# KiCad board !HDMI2USB.kicad_pcb (continued)
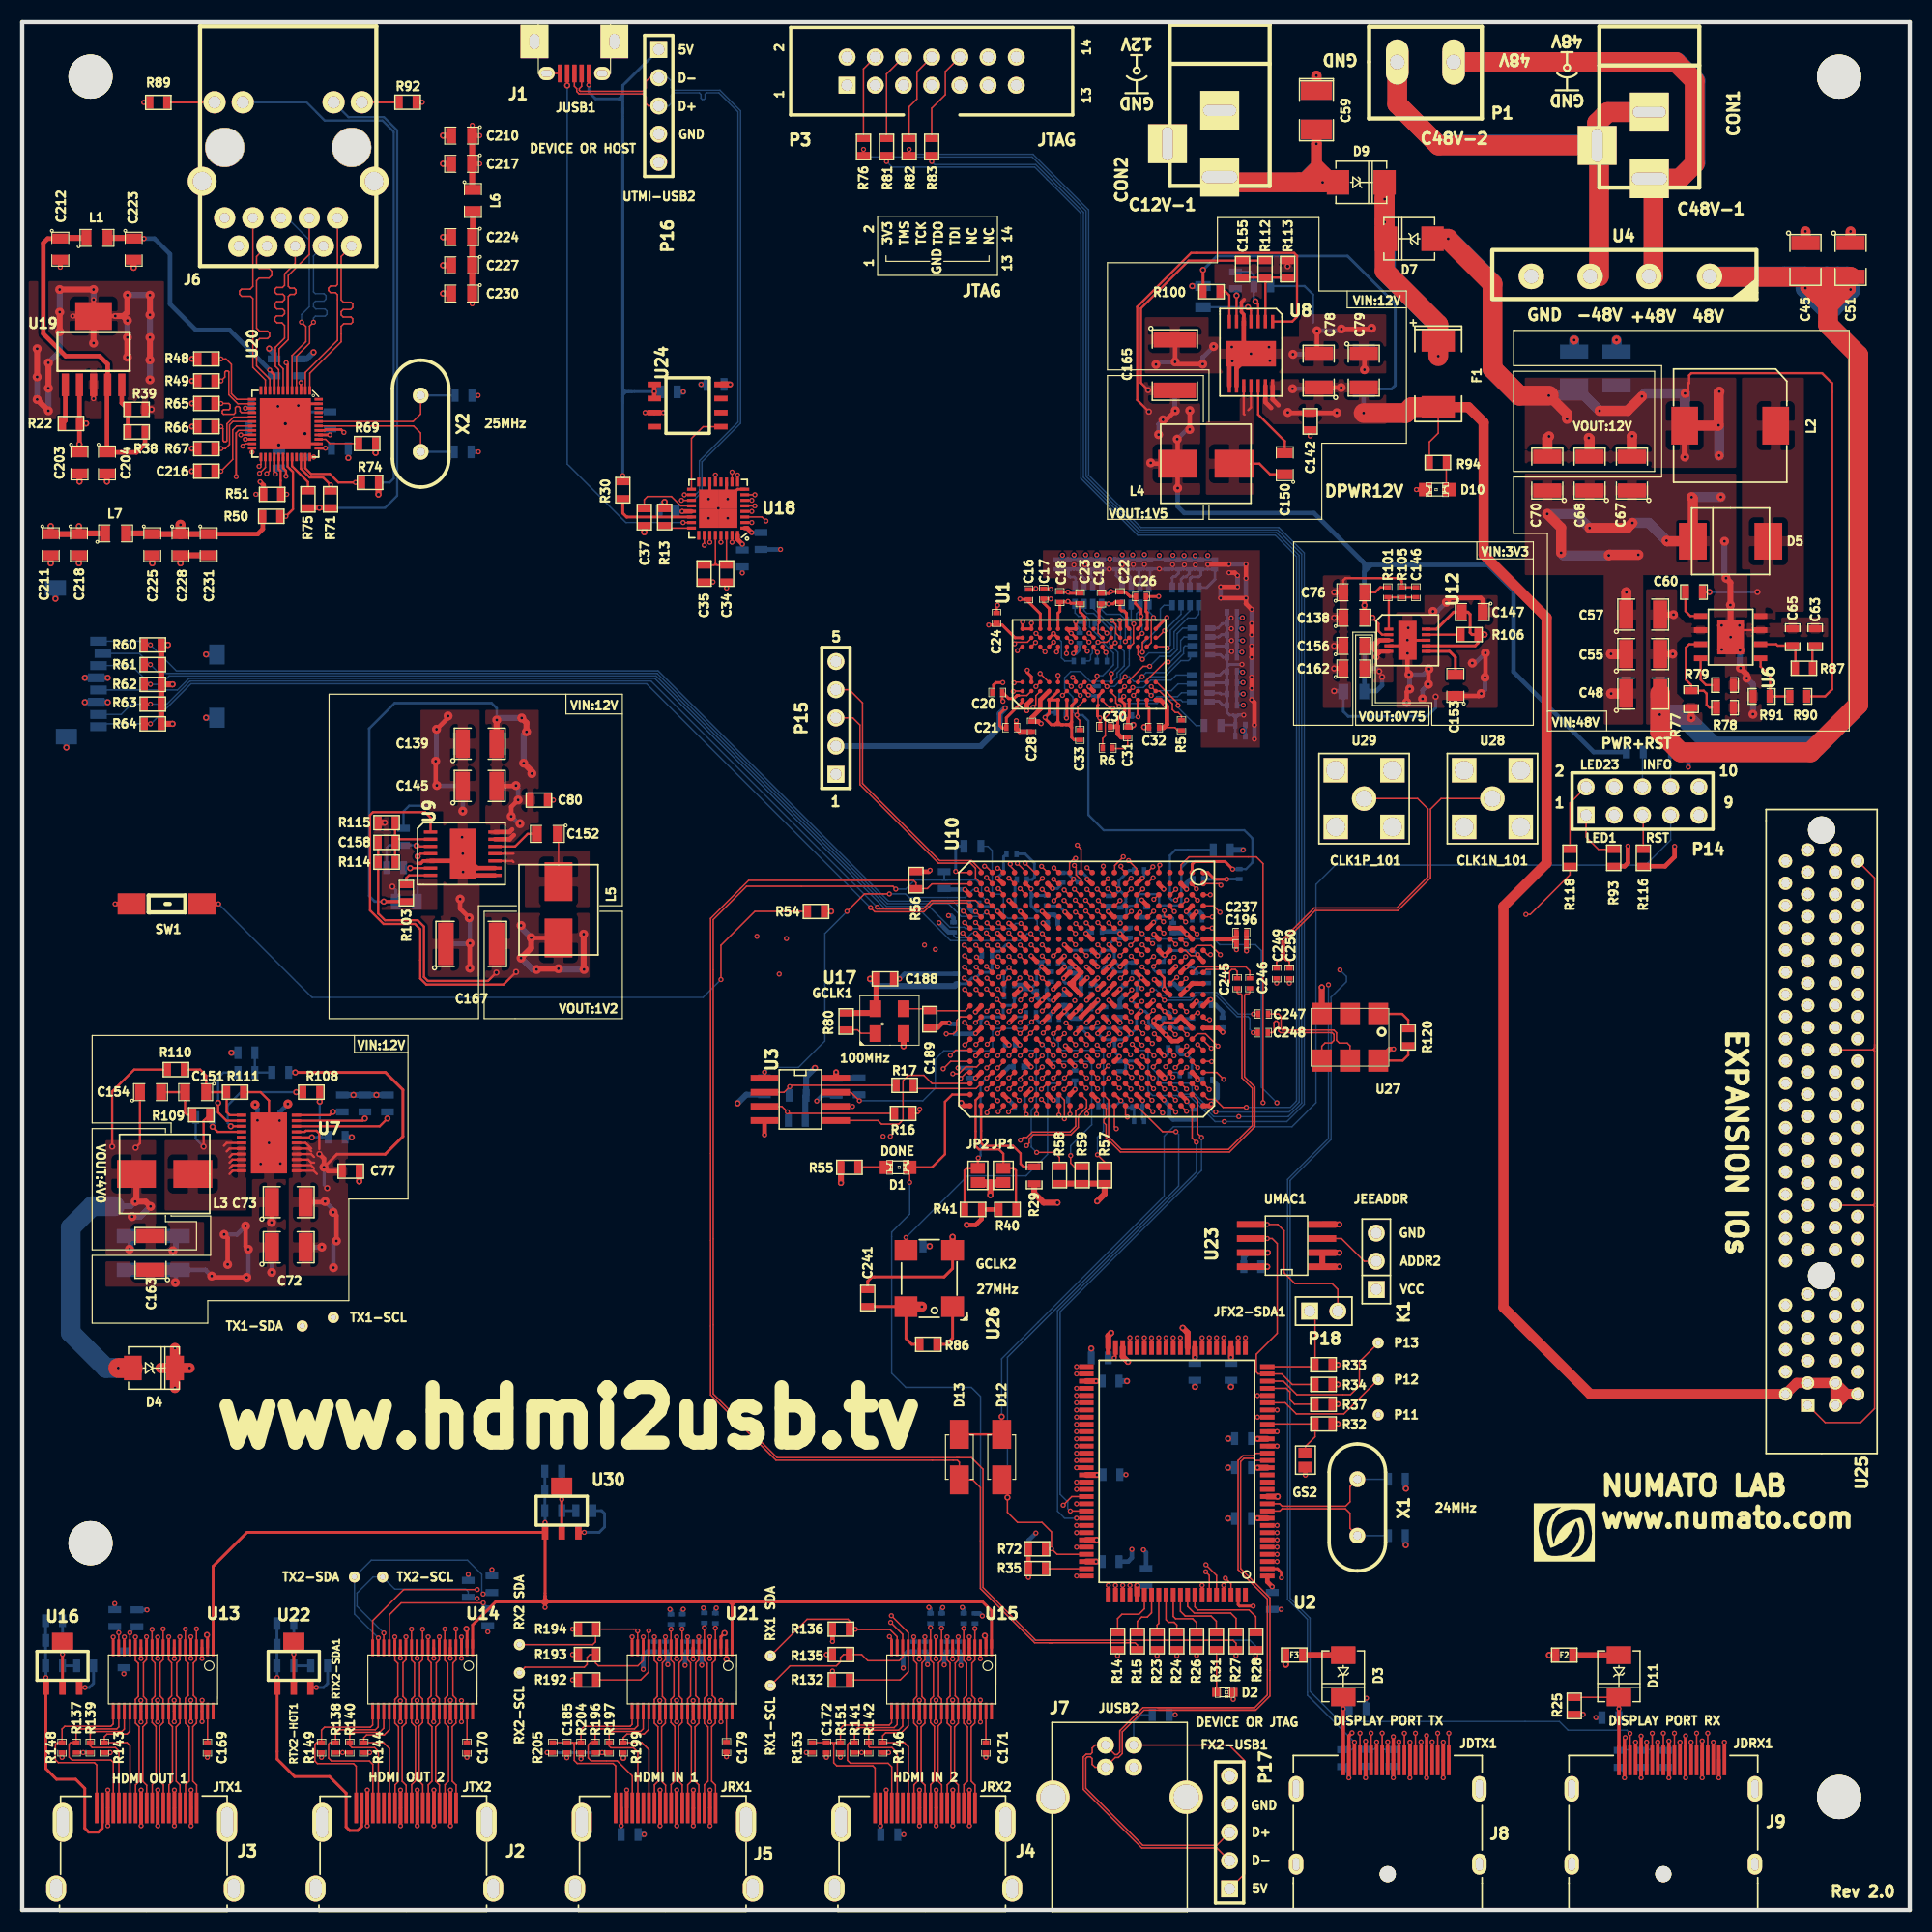
[diagram p0: board, top side]
## Placement (name value [footprint] x y rotation side) (continued)
R97  1K  [SM0603]  20.19 75.42 0 bottom
R98  205K  [SM0603]  30.86 72.62 90 bottom
R99  ?  [SM0603]  28.83 72.62 90 bottom
R100  10K  [SM0603]  107.11 145.73 0 top
R101  10K  [SM0402]  122.98 118.66 270 top
R102  100K  [SM0603]  109.27 146.75 270 bottom
R103  10K  [SM0603]  34.6 91.56 90 top
R104  100K  [SM0603]  33.58 93.85 0 bottom
R105  10K  [SM0402]  124.25 118.66 90 top
R106  100K  [SM0603]  130.35 114.85 0 top
R107  100K  [SM0603]  32.89 72.62 270 bottom
R108  100K  [SM0603]  26.03 73.64 180 top
R109  100K  [SM0603]  16.13 71.61 0 top
R110  46.4K  [SM0603]  13.84 75.67 180 top
R111  10K  [SM0603]  19.18 73.64 180 top
R112  21.5K  [SM0603]  111.93 147.76 270 top
R113  22.1K  [SM0603]  113.97 147.76 90 top
R114  12.7K  [SM0603]  32.82 94.36 0 top
R115  22.1K  [SM0603]  32.82 97.91 180 top
R116  100R  [SM0603]  146 94.74 90 top
R117  1M  [SM0603]  145.24 104.27 180 bottom
R118  100R  [SM0603]  139.39 94.74 270 top
R119  1K  [SM0603]  149.3 104.27 0 bottom
R120  4.7K  [SM0603]  124.83 78.59 270 top
R121  100K  [SM0603]  47.83 39.5 0 bottom
R124  50R  [SM0402]  81.3 23.7 270 bottom
R125  50R  [SM0402]  82.81 26.24 90 bottom
R126  100K  [SM0603]  41.93 26.34 90 bottom
R127  100K  [SM0603]  10.33 26.25 270 bottom
R128  50R  [SM0402]  84.3 23.7 270 bottom
R129  47K  [SM0603]  40.17 28.9 270 bottom
R130  47K  [SM0603]  8.33 26.27 270 bottom
R131  50R  [SM0402]  85.81 26.24 90 bottom
R132  100K  [SM0603]  73.74 20.7 0 top
R133  47K  [SM0603]  42.3 29.33 270 bottom
R134  47K  [SM0603]  9.16 22.56 90 bottom
R135  47K  [SM0603]  73.74 22.99 0 top
R136  47K  [SM0603]  73.74 25.28 0 top
R137  1.5K  [SM0402]  4.86 14.61 90 top
R138  1.5K  [SM0402]  28.23 14.61 90 top
R139  1.5K  [SM0402]  6.13 14.61 90 top
R140  1.5K  [SM0402]  29.5 14.61 90 top
R141  1.5K  [SM0402]  74.96 14.61 90 top
R142  1.5K  [SM0402]  76.23 14.61 90 top
R143  27K  [SM0402]  7.4 14.61 90 top
R144  27K  [SM0402]  30.77 14.61 90 top
R145  50R  [SM0402]  80.3 23.7 270 bottom
R146  27K  [SM0402]  77.5 14.61 90 top
R147  50R  [SM0402]  81.79 26.24 90 bottom
R148  15K  [SM0402]  3.59 14.61 90 top
R149  15K  [SM0402]  26.96 14.61 90 top
R150  50R  [SM0402]  83.3 23.7 270 bottom
R151  15K  [SM0402]  73.69 14.61 90 top
R152  50R  [SM0402]  84.79 26.24 90 bottom
R153  1K  [SM0402]  71.15 14.61 90 top
R188  50R  [SM0402]  62.44 26.25 90 bottom
R189  50R  [SM0402]  60.93 23.7 270 bottom
R190  50R  [SM0402]  59.45 26.16 90 bottom
R191  50R  [SM0402]  57.93 23.7 270 bottom
R192  100K  [SM0603]  50.88 20.7 0 top
R193  47K  [SM0603]  50.88 22.99 0 top
R194  47K  [SM0603]  50.88 25.28 0 top
R195  100K  [SM0603]  2.87 26.04 0 bottom
R196  1.5K  [SM0402]  51.59 14.61 90 top
R197  1.5K  [SM0402]  52.86 14.61 90 top
R198  50R  [SM0402]  61.43 26.28 270 bottom
R199  27K  [SM0402]  54.13 14.61 90 top
R200  50R  [SM0402]  59.93 23.7 90 bottom
R201  50R  [SM0402]  58.42 26.15 270 bottom
R202  100K  [SM0603]  23.7 25.78 0 bottom
R203  50R  [SM0402]  56.93 23.7 90 bottom
R204  15K  [SM0402]  50.32 14.61 90 top
R205  1K  [SM0402]  47.78 14.61 90 top
SW1  SW_PUSH  [Switch_SMD]  13.16 90.59 180 top
U1  MT41J128M16  [BGA96-0.8]  95.69 112.16 90 top
U2  CY7C68013A_100AC  [TQFP-100_(CY7C68013A-100AXC)]  103.99 39.49 180 top
U3  W25Q128FVEIG  [SO8E_N]  70.08 72.99 270 top
U4  GBU15005-G  [GBJ15005]  151.82 147.11 180 top
U6  -  [TPS54560]  153.86 114.62 270 top
U7  TPS53319  [DQP-22(tps53319)]  22.22 69.07 0 top
U8  TPS54625  [PDSO_G14(tps54625)]  110.66 140.14 180 top
U9  TPS54625  [PDSO_G14(tps54625)]  39.68 95.12 270 top
U10  XC6SLX45T  [BGA_484_1mm]  95.86 82.92 270 top
U11  MICRO_SD  [MicroSD]  6.87 106.56 270 bottom
U12  TPS51200  [SON_10(tps51200)]  124.76 114.34 90 top
U13  IP4776CZ38  [SSOP38_ip4776]  12.69 20.75 180 top
U14  IP4776CZ38  [SSOP38_ip4776]  36.06 20.75 180 top
U15  IP4776CZ38  [SSOP38_ip4776]  82.8 20.75 180 top
U16  ΜA78L00  [μA78L00]  3.63 21.97 0 top
U17  -  [FXO-HC536R]  78.11 80.03 0 top
U18  USB3340  [QFN-32(USB3340)]  62.68 126.19 180 top
U19  MCP1825  [SOT223-5]  6.43 140.34 0 top
U20  RTL8211E-VB  [QFN48(RTL8211E)]  23.7 133.84 270 top
U21  IP4776CZ38  [SSOP38_ip4776]  59.43 20.75 180 top
U22  ΜA78L00  [μA78L00]  24.46 21.97 0 top
U23  24AA02E48  [SO8E_N]  113.87 59.82 90 top
U24  BDXXGA5WEFJ_  [8-HTSOP-J_(BD50GA5WEFJ-E2)]  59.93 135.47 270 top
U25  TIMVIDEOS-PCIE-8X  [PCIe_98Pos]  162.06 57.1 90 top
U26  CB3LV-3I-27M0000  [CB3LV-3I]  81.69 56.86 90 top
U27  -  [FXO-LC73]  119.58 78.59 180 top
U28  SMA_CON  [SMAJACKRightAngled]  132.41 100.08 0 top
U29  SMA_CON  [SMAJACKRightAngled]  120.85 100.08 0 top
U30  ΜA78L00  [μA78L00]  48.59 35.94 0 top
X1  CRYSTAL  [HC-49V]  120.24 36.24 90 top
X2  50MHz  [HC-49V]  35.88 133.85 270 top

## Footprints (pads in the part's own frame, mm; a bottom-side part is the same pattern mirrored in y, then rotated)
1Pin_N
  round 1 hole 0.5: 1(0,0)
8-HTSOP-J_(BD50GA5WEFJ-E2)
  rect 0.5x1.2 smd: 1(-1.905,-3) 2(-0.635,-3) 3(0.635,-3) 4(1.905,-3) 5(1.905,3) 6(0.635,3) 7(-0.635,3) 8(-1.905,3)
B560C-SMC
  rect 2.5x3.3 smd: 1(-3.4,0) 2(3.4,0)
BARREL_JACK
  rect 3.5x3.5 hole 1.1x3.2: 1(6.2,0)
  rect 3.5x3.5 hole 1.001x3: 2(0.201,0)
  rect 3.5x3.5 hole 3x1.001: 3(3.2,-4.699)
BGA96-0.8
  round 0.399 smd: A1(-3.2,5.601) A2(-2.4,5.601) A3(-1.6,5.601) A7(1.6,5.601) A8(2.4,5.601) A9(3.2,5.601) B1(-3.2,4.801) B2(-2.4,4.801) B3(-1.6,4.801) B7(1.598,4.798) B8(2.398,4.798) B9(3.198,4.798) C1(-3.2,4) C2(-2.4,4) C3(-1.6,4) C7(1.598,3.998) C8(2.398,3.998) C9(3.198,3.998) D1(-3.2,3.2) D2(-2.4,3.2) D3(-1.6,3.2) D7(1.598,3.198) D8(2.398,3.198) D9(3.198,3.198) E1(-3.2,2.403) E2(-2.4,2.403) E3(-1.6,2.403) E7(1.598,2.4) E8(2.398,2.4) E9(3.198,2.4) F1(-3.2,1.603) F2(-2.4,1.603) F3(-1.6,1.603) F7(1.598,1.6) F8(2.398,1.6) F9(3.198,1.6) G1(-3.2,0.803) G2(-2.4,0.803) G3(-1.6,0.803) G7(1.598,0.8) G8(2.398,0.8) G9(3.198,0.8) H1(-3.2,0.003) H2(-2.4,0.003) H3(-1.6,0.003) H7(1.598,0) H8(2.398,0) H9(3.198,0) J1(-3.2,-0.8) J2(-2.4,-0.8) J3(-1.6,-0.8) J7(1.6,-0.8) J8(2.4,-0.8) J9(3.2,-0.8) K1(-3.2,-1.6) K2(-2.4,-1.6) K3(-1.6,-1.6) K7(1.6,-1.6) K8(2.4,-1.6) K9(3.2,-1.6) L1(-3.2,-2.4) L2(-2.4,-2.4) L3(-1.6,-2.4) L7(1.6,-2.4) L8(2.4,-2.4) L9(3.2,-2.4) M1(-3.2,-3.2) M2(-2.4,-3.2) M3(-1.6,-3.2) M7(1.6,-3.2) M8(2.4,-3.2) M9(3.2,-3.2) N1(-3.2,-4) N2(-2.4,-4) N3(-1.6,-4) N7(1.6,-4) N8(2.4,-4) N9(3.2,-4) P1(-3.2,-4.801) P2(-2.4,-4.801) P3(-1.6,-4.801) P7(1.6,-4.801) P8(2.4,-4.801) P9(3.2,-4.801) R1(-3.2,-5.601) R2(-2.4,-5.601) R3(-1.6,-5.601) R7(1.6,-5.601) R8(2.4,-5.601) R9(3.2,-5.601) T1(-3.2,-6.401) T2(-2.4,-6.4) T3(-1.6,-6.4) T7(1.6,-6.4) T8(2.4,-6.4) T9(3.2,-6.4)
BGA_484_1mm
  round 0.5 smd: A1(-10.5,10.5) A2(-9.5,10.5) A3(-8.499,10.5) A4(-7.501,10.5) A5(-6.5,10.5) A6(-5.499,10.5) A7(-4.501,10.5) A8(-3.5,10.5) A9(-2.499,10.5) A10(-1.499,10.5) A11(-0.5,10.5) A12(0.5,10.5) A13(1.501,10.5) A14(2.499,10.5) A15(3.5,10.5) A16(4.501,10.5) A17(5.499,10.5) A18(6.5,10.5) A19(7.501,10.5) A20(8.501,10.5) A21(9.5,10.5) A22(10.5,10.5) AA1(-10.5,-9.5) AA2(-9.5,-9.5) AA3(-8.499,-9.5) AA4(-7.501,-9.5) AA5(-6.5,-9.5) AA6(-5.499,-9.5) AA7(-4.501,-9.5) AA8(-3.5,-9.5) AA9(-2.499,-9.5) AA10(-1.501,-9.5) AA11(-0.5,-9.5) AA12(0.5,-9.5) AA13(1.501,-9.5) AA14(2.499,-9.5) AA15(3.5,-9.5) AA16(4.501,-9.5) AA17(5.499,-9.5) AA18(6.5,-9.5) AA19(7.501,-9.5) AA20(8.499,-9.5) AA21(9.5,-9.5) AA22(10.5,-9.5) AB1(-10.5,-10.5) AB2(-9.5,-10.5) AB3(-8.499,-10.5) AB4(-7.501,-10.5) AB5(-6.5,-10.5) AB6(-5.499,-10.5) AB7(-4.501,-10.5) AB8(-3.5,-10.5) AB9(-2.499,-10.5) AB10(-1.501,-10.5) AB11(-0.5,-10.5) AB12(0.5,-10.5) AB13(1.501,-10.5) AB14(2.499,-10.5) AB15(3.5,-10.5) AB16(4.501,-10.5) AB17(5.499,-10.5) AB18(6.5,-10.5) AB19(7.501,-10.5) AB20(8.499,-10.5) AB21(9.5,-10.5) AB22(10.5,-10.5) B1(-10.5,9.5) B2(-9.5,9.5) B3(-8.499,9.5) B4(-7.501,9.5) B5(-6.5,9.5) B6(-5.499,9.5) B7(-4.501,9.5) B8(-3.5,9.5) B9(-2.499,9.5) B10(-1.499,9.5) B11(-0.5,9.5) B12(0.5,9.5) B13(1.501,9.5) B14(2.499,9.5) B15(3.5,9.5) B16(4.501,9.5) B17(5.499,9.5) B18(6.5,9.5) B19(7.501,9.5) B20(8.501,9.5) B21(9.5,9.5) B22(10.5,9.5) C1(-10.5,8.499) C2(-9.5,8.499) C3(-8.499,8.499) C4(-7.501,8.499) C5(-6.5,8.499) C6(-5.499,8.499) C7(-4.501,8.499) C8(-3.5,8.499) C9(-2.499,8.499) C10(-1.499,8.499) C11(-0.5,8.499) C12(0.5,8.499) C13(1.501,8.499) C14(2.499,8.499) C15(3.5,8.499) C16(4.501,8.499) C17(5.499,8.499) C18(6.5,8.499) C19(7.501,8.499) C20(8.501,8.499) C21(9.5,8.499) C22(10.5,8.499) D1(-10.5,7.501) D2(-9.5,7.501) D3(-8.499,7.501) D4(-7.501,7.501) D5(-6.5,7.501) D6(-5.499,7.501) D7(-4.501,7.501) D8(-3.5,7.501) D9(-2.499,7.501) D10(-1.499,7.501) D11(-0.5,7.501) D12(0.5,7.501) D13(1.501,7.501) D14(2.499,7.501) D15(3.5,7.501) D16(4.501,7.501) D17(5.499,7.501) D18(6.5,7.501) D19(7.501,7.501) D20(8.501,7.501) D21(9.5,7.501) D22(10.5,7.501) E1(-10.5,6.5) E2(-9.5,6.5) E3(-8.499,6.5) E4(-7.501,6.5) E5(-6.5,6.5) E6(-5.499,6.5) E7(-4.501,6.5) E8(-3.5,6.5) E9(-2.499,6.5) E10(-1.499,6.5) E11(-0.5,6.5) E12(0.5,6.5) E13(1.501,6.5) E14(2.499,6.5) E15(3.5,6.5) E16(4.501,6.5) E17(5.499,6.5) E18(6.5,6.5) E19(7.501,6.5) E20(8.501,6.5) E21(9.5,6.5) E22(10.5,6.5) F1(-10.5,5.499) F2(-9.5,5.499) F3(-8.499,5.499) F4(-7.501,5.499) F5(-6.5,5.499) F6(-5.499,5.499) F7(-4.501,5.499) F8(-3.5,5.499) F9(-2.499,5.499) F10(-1.499,5.499) F11(-0.5,5.499) F12(0.5,5.499) F13(1.501,5.499) F14(2.499,5.499) F15(3.5,5.499) F16(4.501,5.499) F17(5.499,5.499) F18(6.5,5.499) F19(7.501,5.499) F20(8.501,5.499) F21(9.5,5.499) F22(10.5,5.499) G1(-10.5,4.501) G2(-9.5,4.501) G3(-8.499,4.501) G4(-7.501,4.501) G5(-6.5,4.501) G6(-5.499,4.501) G7(-4.501,4.501) G8(-3.5,4.501) G9(-2.499,4.501) G10(-1.501,4.501) G11(-0.5,4.501) G12(0.5,4.501) G13(1.501,4.501) G14(2.499,4.501) G15(3.5,4.501) G16(4.501,4.501) G17(5.499,4.501) G18(6.5,4.501) G19(7.501,4.501) G20(8.501,4.501) G21(9.5,4.501) G22(10.5,4.501) H1(-10.5,3.5) H2(-9.5,3.5) H3(-8.499,3.5) H4(-7.501,3.5) H5(-6.5,3.5) H6(-5.499,3.5) H7(-4.501,3.5) H8(-3.5,3.5) H9(-2.499,3.5) H10(-1.501,3.5) H11(-0.5,3.5) H12(0.5,3.5) H13(1.501,3.5) H14(2.499,3.5) H15(3.5,3.5) H16(4.501,3.5) H17(5.499,3.5) H18(6.5,3.5) H19(7.501,3.5) H20(8.501,3.5) H21(9.5,3.5) H22(10.5,3.5) J1(-10.5,2.499) J2(-9.5,2.499) J3(-8.499,2.499) J4(-7.501,2.499) J5(-6.5,2.499) J6(-5.499,2.499) J7(-4.501,2.499) J8(-3.5,2.499) J9(-2.499,2.499) J10(-1.501,2.499) J11(-0.5,2.499) J12(0.5,2.499) J13(1.501,2.499) J14(2.499,2.499) J15(3.5,2.499) J16(4.501,2.499) J17(5.499,2.499) J18(6.5,2.499) J19(7.501,2.499) J20(8.501,2.499) J21(9.5,2.499) J22(10.5,2.499) K1(-10.5,1.499) K2(-9.5,1.499) K3(-8.499,1.499) K4(-7.501,1.499) K5(-6.5,1.499) K6(-5.499,1.499) K7(-4.501,1.501) K8(-3.5,1.501) K9(-2.499,1.501) K10(-1.501,1.501) K11(-0.5,1.501) K12(0.5,1.501) K13(1.501,1.501) K14(2.499,1.501) K15(3.5,1.499) K16(4.501,1.499) K17(5.499,1.499) K18(6.5,1.499) K19(7.501,1.499) K20(8.501,1.499) K21(9.5,1.501) K22(10.5,1.501) L1(-10.5,0.5) L2(-9.5,0.5) L3(-8.499,0.5) L4(-7.501,0.5) L5(-6.5,0.5) L6(-5.499,0.5) L7(-4.501,0.5) L8(-3.5,0.5) L9(-2.499,0.5) L10(-1.501,0.5) L11(-0.5,0.5) L12(0.5,0.5) L13(1.501,0.5) L14(2.499,0.5) L15(3.5,0.5) L16(4.501,0.5) L17(5.499,0.5) L18(6.5,0.5) L19(7.501,0.5) L20(8.501,0.5) L21(9.5,0.5) L22(10.5,0.5) M1(-10.5,-0.5) M2(-9.5,-0.5) M3(-8.499,-0.5) M4(-7.501,-0.5) M5(-6.5,-0.5) M6(-5.499,-0.5) M7(-4.501,-0.5) M8(-3.5,-0.5) M9(-2.499,-0.5) M10(-1.501,-0.5) M11(-0.5,-0.5) M12(0.5,-0.5) M13(1.501,-0.5) M14(2.499,-0.5) M15(3.5,-0.5) M16(4.501,-0.5) M17(5.499,-0.5) M18(6.5,-0.5) M19(7.501,-0.5) M20(8.501,-0.5) M21(9.5,-0.5) M22(10.5,-0.5) N1(-10.5,-1.501) N2(-9.5,-1.501) N3(-8.499,-1.501) N4(-7.501,-1.501) N5(-6.5,-1.501) N6(-5.499,-1.501) N7(-4.501,-1.501) N8(-3.5,-1.501) N9(-2.499,-1.501) N10(-1.501,-1.501) N11(-0.5,-1.501) N12(0.5,-1.501) N13(1.501,-1.501) N14(2.499,-1.501) N15(3.5,-1.501) N16(4.501,-1.501) N17(5.499,-1.501) N18(6.5,-1.501) N19(7.501,-1.501) N20(8.501,-1.501) N21(9.5,-1.501) N22(10.5,-1.501) P1(-10.5,-2.499) P2(-9.5,-2.499) P3(-8.499,-2.499) P4(-7.501,-2.499) P5(-6.5,-2.499) P6(-5.499,-2.499) P7(-4.501,-2.499) P8(-3.5,-2.499) P9(-2.499,-2.499) P10(-1.501,-2.499) P11(-0.5,-2.499) P12(0.5,-2.499) P13(1.501,-2.499) P14(2.499,-2.499) P15(3.5,-2.499) P16(4.501,-2.499) P17(5.499,-2.499) P18(6.5,-2.499) P19(7.501,-2.499) P20(8.501,-2.499) P21(9.5,-2.499) P22(10.5,-2.499) R1(-10.5,-3.5) R2(-9.5,-3.5) R3(-8.499,-3.5) R4(-7.501,-3.5) R5(-6.5,-3.5) R6(-5.499,-3.5) R7(-4.501,-3.5) R8(-3.5,-3.5) R9(-2.499,-3.5) R10(-1.499,-3.5) R11(-0.5,-3.5) R12(0.5,-3.5) R13(1.501,-3.5) R14(2.499,-3.5) R15(3.5,-3.5) R16(4.501,-3.5) R17(5.499,-3.5) R18(6.5,-3.5) R19(7.501,-3.5) R20(8.501,-3.5) R21(9.5,-3.5) R22(10.5,-3.5) T1(-10.5,-4.501) T2(-9.5,-4.501) T3(-8.499,-4.501) T4(-7.501,-4.501) T5(-6.5,-4.501) T6(-5.499,-4.501) T7(-4.501,-4.501) T8(-3.5,-4.501) T9(-2.499,-4.501) T10(-1.499,-4.501) T11(-0.5,-4.501) T12(0.5,-4.501) T13(1.501,-4.501) T14(2.499,-4.501) T15(3.5,-4.501) T16(4.501,-4.501) T17(5.499,-4.501) T18(6.5,-4.501) T19(7.501,-4.501) T20(8.501,-4.501) T21(9.5,-4.501) T22(10.5,-4.501) U1(-10.5,-5.499) U2(-9.5,-5.499) U3(-8.499,-5.499) U4(-7.501,-5.499) U5(-6.5,-5.499) U6(-5.499,-5.499) U7(-4.501,-5.499) U8(-3.5,-5.499) U9(-2.499,-5.499) U10(-1.499,-5.499) U11(-0.5,-5.499) U12(0.5,-5.499) U13(1.501,-5.499) U14(2.499,-5.499) U15(3.5,-5.499) U16(4.501,-5.499) U17(5.499,-5.499) U18(6.5,-5.499) U19(7.501,-5.499) U20(8.501,-5.499) U21(9.5,-5.499) U22(10.5,-5.499) V1(-10.5,-6.5) V2(-9.5,-6.5) V3(-8.499,-6.5) V4(-7.501,-6.5) V5(-6.5,-6.5) V6(-5.499,-6.5) V7(-4.501,-6.5) V8(-3.5,-6.5) V9(-2.499,-6.5) V10(-1.499,-6.5) V11(-0.5,-6.5) V12(0.5,-6.5) V13(1.501,-6.5) V14(2.499,-6.5) V15(3.5,-6.5) V16(4.501,-6.5) V17(5.499,-6.5) V18(6.5,-6.5) V19(7.501,-6.5) V20(8.501,-6.5) V21(9.5,-6.5) V22(10.5,-6.5) W1(-10.5,-7.501) W2(-9.5,-7.501) W3(-8.499,-7.501) W4(-7.501,-7.501) W5(-6.5,-7.501) W6(-5.499,-7.501) W7(-4.501,-7.501) W8(-3.5,-7.501) W9(-2.499,-7.501) W10(-1.499,-7.501) W11(-0.5,-7.501) W12(0.5,-7.501) W13(1.501,-7.501) W14(2.499,-7.501) W15(3.5,-7.501) W16(4.501,-7.501) W17(5.499,-7.501) W18(6.5,-7.501) W19(7.501,-7.501) W20(8.501,-7.501) W21(9.5,-7.501) W22(10.5,-7.501) Y1(-10.5,-8.501) Y2(-9.5,-8.501) Y3(-8.499,-8.501) Y4(-7.501,-8.501) Y5(-6.5,-8.501) Y6(-5.499,-8.501) Y7(-4.501,-8.501) Y8(-3.5,-8.501) Y9(-2.499,-8.501) Y10(-1.499,-8.501) Y11(-0.5,-8.501) Y12(0.5,-8.501) Y13(1.501,-8.501) Y14(2.499,-8.501) Y15(3.5,-8.501) Y16(4.501,-8.501) Y17(5.499,-8.501) Y18(6.5,-8.501) Y19(7.501,-8.501) Y20(8.501,-8.501) Y21(9.5,-8.499) Y22(10.5,-8.499)
CB3LV-3I
  rect 1.85x2.05 smd: 1(-2.54,-2.1) 2(2.54,-2.1) 3(2.54,2.1) 4(-2.54,2.1)
Display_Port
  round 1.45 hole 1.45 unplated: (0,-7.68)
  oval 1.3x2.3 hole 0.65x1.65: 0(-8.25,0) 0(8.25,0)
  oval 1.3x1.9 hole 0.65x1.2: 0(-8.25,-6.78) 0(8.25,-6.78)
  rect 0.33x2.75 smd: 1(5.5,2.6) 2(5,2.6) 3(4.5,2.6) 4(4,2.6) 5(3.5,2.6) 6(3,2.6) 7(2.5,2.6) 8(2,2.6) 9(1.5,2.6) 10(1,2.6) 11(0.5,2.6) 12(0,2.6) 13(-0.5,2.6) 14(-1,2.6) 15(-1.5,2.6) 16(-2,2.6) 17(-2.5,2.6) 18(-3,2.6) 19(-3.5,2.6) 20(-4,2.6)
DO214-AC
  rect 2.6x1.7 smd: 1(-2.05,0) 2(2.05,0)
DO-214AC(SMA)
  rect 1.6x2.2 smd: 1(-1.9,0) 2(1.9,0)
DO-214AC(SMA)#2
  rect 2x2.2 smd: 1(-2.1,0) 2(2.1,0)
DQP-22(tps53319)
  rect 0.851x0.279 smd: 1(-2.475,2.5) 2(-2.475,2) 3(-2.475,1.5) 4(-2.475,1) 5(-2.475,0.501) 6(-2.475,-0.001) 7(-2.475,-0.504) 8(-2.475,-1.004) 9(-2.475,-1.504) 10(-2.475,-2.003) 11(-2.475,-2.503) 12(2.475,-2.503) 13(2.475,-2.003) 14(2.475,-1.504) 15(2.475,-1.004) 16(2.475,-0.504) 17(2.475,0.001) 18(2.475,0.501) 19(2.475,1) 20(2.475,1.5) 21(2.475,2) 22(2.475,2.5)
  rect 3.251x5.486 smd: 23(0,0)
FXO-HC536R
  rect 1.036x1.494 smd: 1(-1.27,-1.12) 2(1.27,-1.12) 3(1.27,1.12) 4(-1.27,1.12)
FXO-LC73
  rect 1.8x2 smd: 1(-2.54,-2.1) 2(0,-2.1) 3(2.54,-2.1) 4(2.54,2.1) 5(0,2.1) 6(-2.54,2.1)
GBJ15005
  round 2.3 hole 1.3: 1(-0.15,0) 2(5.3,0) 3(10.6,0) 4(15.9,0)
GS2
  rect 1.27x0.965 smd: 1(0,0.635) 2(0,-0.635)
HC-49V
  round 1.422 hole 0.762: 1(-2.54,0) 2(2.54,0)
HDMI_TH
  oval 1.8x2.35 hole 1.1x1.8: 0(-8.15,-5.96) 0(7.85,-5.96)
  oval 1.8x3.5 hole 1.1x2.75: 0(-7.55,0) 0(7.25,0)
  rect 0.33x2.75 smd: 1(4.5,1.3) 2(4,1.3) 3(3.5,1.3) 4(3,1.3) 5(2.5,1.3) 6(2,1.3) 7(1.5,1.3) 8(1,1.3) 9(0.5,1.3) 10(0,1.3) 11(-0.5,1.3) 12(-1,1.3) 13(-1.5,1.3) 14(-2,1.3) 15(-2.5,1.3) 16(-3,1.3) 17(-3.5,1.3) 18(-4,1.3) 19(-4.5,1.3)
IND202
  rect 3.5x2.5 smd: 1(-2.54,0) 2(2.54,0)
JTAG
  rect 1.524x1.524 hole 1.016: 1(-7.62,-1.27)
  round 1.524 hole 1.016: 2(-7.62,1.27) 3(-5.08,-1.27) 4(-5.08,1.27) 5(-2.54,-1.27) 6(-2.54,1.27) 7(0,-1.27) 8(0,1.27) 9(2.54,-1.27) 10(2.54,1.27) 11(5.08,-1.27) 12(5.08,1.27) 13(7.62,-1.27) 14(7.62,1.27)
LED-0603
  rect 0.798x0.798 smd: 1(-0.749,0) 2(0.749,0)
LED-0805
  rect 1.199x1.199 smd: 1(-1.049,0) 2(1.049,0)
MH-4MM
  round 3.97 hole 3.97 unplated: (-31.37,4.16)
MH-4MM#2
  round 3.97 hole 3.97 unplated: (-20.37,35.1)
MH-4MM#3
  round 3.97 hole 3.97 unplated: (10.15,28.1)
MH-4MM#4
  round 3.97 hole 3.97 unplated: (10.15,19.02)
MICRO_USB_B
  rect 2.5x3 hole 0.9x1.4: 0(-3.6,0.4) 0(3.6,0.4)
  oval 1.45x1.2 hole 1x0.6: 0(-2.5,3.275) 0(2.5,3.275)
  rect 0.4x1.6 smd: 1(-1.3,3.275) 2(-0.65,3.275) 3(0,3.275) 4(0.65,3.275) 5(1.3,3.275)
MicroSD
  rect 0.8x1.501 smd: 1(-7.699,0) 2(-6.599,-0.399) 3(-5.499,0) 4(-4.399,0.201) 5(-3.299,0) 6(-2.2,0.201) 7(-1.1,0) 8(0,0)
  rect 1.4x1.9 smd: 9(0.899,2.891) 10(-12.499,3.879)
  rect 1.801x1.4 smd: 11(-6.505,-10.668) 12(-0.805,-10.668)
PCIe_98Pos
  round 2.45 hole 2.45 unplated: (0,0) (40.15,0)
  rect 1.2x1.2 hole 0.78: A1(-11.65,1.25)
  round 1.2 hole 0.78: A2(-10.65,3.25) A3(-9.65,1.25) A4(-8.65,3.25) A5(-7.65,1.25) A6(-6.65,3.25) A7(-5.65,1.25) A8(-4.65,3.25) A9(-3.65,1.25) A10(-2.65,3.25) A11(-1.65,1.25) A12(1.35,3.25) A13(2.35,1.25) A14(3.35,3.25) A15(4.35,1.25) A16(5.35,3.25) A17(6.35,1.25) A18(7.35,3.25) A19(8.35,1.25) A20(9.35,3.25) A21(10.35,1.25) A22(11.35,3.25) A23(12.35,1.25) A24(13.35,3.25) A25(14.35,1.25) A26(15.35,3.25) A27(16.35,1.25) A28(17.35,3.25) A29(18.35,1.25) A30(19.35,3.25) A31(20.35,1.25) A32(21.35,3.25) A33(22.35,1.25) A34(23.35,3.25) A35(24.35,1.25) A36(25.35,3.25) A37(26.35,1.25) A38(27.35,3.25) A39(28.35,1.25) A40(29.35,3.25) A41(30.35,1.25) A42(31.35,3.25) A43(32.35,1.25) A44(33.35,3.25) A45(34.35,1.25) A46(35.35,3.25) A47(36.35,1.25) A48(37.35,3.25) A49(38.35,1.25) B1(-11.65,-1.25) B2(-10.65,-3.25) B3(-9.65,-1.25) B4(-8.65,-3.25) B5(-7.65,-1.25) B6(-6.65,-3.25) B7(-5.65,-1.25) B8(-4.65,-3.25) B9(-3.65,-1.25) B10(-2.65,-3.25) B11(-1.65,-1.25) B12(1.35,-3.25) B13(2.35,-1.25) B14(3.35,-3.25) B15(4.35,-1.25) B16(5.35,-3.25) B17(6.35,-1.25) B18(7.35,-3.25) B19(8.35,-1.25) B20(9.35,-3.25) B21(10.35,-1.25) B22(11.35,-3.25) B23(12.35,-1.25) B24(13.35,-3.25) B25(14.35,-1.25) B26(15.35,-3.25) B27(16.35,-1.25) B28(17.35,-3.25) B29(18.35,-1.25) B30(19.35,-3.25) B31(20.35,-1.25) B32(21.35,-3.25) B33(22.35,-1.25) B34(23.35,-3.25) B35(24.35,-1.25) B36(25.35,-3.25) B37(26.35,-1.25) B38(27.35,-3.25) B39(28.35,-1.25) B40(29.35,-3.25) B41(30.35,-1.25) B42(31.35,-3.25) B43(32.35,-1.25) B44(33.35,-3.25) B45(34.35,-1.25) B46(35.35,-3.25) B47(36.35,-1.25) B48(37.35,-3.25) B49(38.35,-1.25)
PDSO_G14(tps54625)
  rect 0.3x1.2 smd: 1(-1.95,-2.9) 2(-1.3,-2.9) 3(-0.65,-2.9) 4(0,-2.9) 5(0.65,-2.9) 6(1.3,-2.9) 7(1.95,-2.9) 8(1.95,2.9) 9(1.3,2.9) 10(0.65,2.9) 11(0,2.9) 12(-0.65,2.9) 13(-1.3,2.9) 14(-1.95,2.9)
  rect 4.5x2.3 smd: 15(0,0)
PIN_ARRAY_2X1
  rect 1.524x1.524 hole 1.016: 1(-1.27,0)
  round 1.524 hole 1.016: 2(1.27,0)
PIN_ARRAY_3X1
  rect 1.524x1.524 hole 1.016: 1(-2.54,0)
  round 1.524 hole 1.016: 2(0,0) 3(2.54,0)
PIN_ARRAY_5x1
  rect 1.524x1.524 hole 1.016: 1(-5.08,0)
  round 1.524 hole 1.016: 2(-2.54,0) 3(0,0) 4(2.54,0) 5(5.08,0)
PIN_ARRAY_5x2
  rect 1.524x1.524 hole 1.016: 1(-5.08,-1.27)
  round 1.524 hole 1.016: 2(-5.08,1.27) 3(-2.54,-1.27) 4(-2.54,1.27) 5(0,-1.27) 6(0,1.27) 7(2.54,-1.27) 8(2.54,1.27) 9(5.08,-1.27) 10(5.08,1.27)
Power_Inductor
  rect 3.4x2.4 smd: 1(0,0) 2(0,-8.2)
QFN48(RTL8211E)
  rect 0.75x0.249 smd: 1(-3,2.2) 2(-3,1.8) 3(-3,1.4) 4(-3,1) 5(-3,0.6) 6(-3,0.2) 7(-3,-0.2) 8(-3,-0.6) 9(-3,-1) 10(-3,-1.4) 11(-3,-1.8) 12(-3,-2.2) 25(3,-2.2) 26(3,-1.8) 27(3,-1.4) 28(3,-1) 29(3,-0.6) 30(3,-0.2) 31(3,0.2) 32(3,0.6) 33(3,1) 34(3,1.4) 35(3,1.8) 36(3,2.2)
  rect 0.249x0.75 smd: 13(-2.2,-3) 14(-1.8,-3) 15(-1.4,-3) 16(-1,-3) 17(-0.6,-3) 18(-0.2,-3) 19(0.2,-3) 20(0.6,-3) 21(1,-3) 22(1.4,-3) 23(1.8,-3) 24(2.2,-3) 37(2.2,3) 38(1.8,3) 39(1.4,3) 40(1,3) 41(0.6,3) 42(0.2,3) 43(-0.2,3) 44(-0.6,3) 45(-1,3) 46(-1.4,3) 47(-1.8,3) 48(-2.2,3)
  rect 4.6x4.6 smd: 49(0,0)
QFN-32(USB3340)
  rect 0.8x0.28 smd: 1(-2.4,1.75) 2(-2.4,1.25) 3(-2.4,0.75) 4(-2.4,0.25) 5(-2.4,-0.25) 6(-2.4,-0.75) 7(-2.4,-1.25) 8(-2.4,-1.75) 17(2.4,-1.75) 18(2.4,-1.25) 19(2.4,-0.75) 20(2.4,-0.25) 21(2.4,0.25) 22(2.4,0.75) 23(2.4,1.25) 24(2.4,1.75)
  rect 0.28x0.8 smd: 9(-1.75,-2.4) 10(-1.25,-2.4) 11(-0.75,-2.4) 12(-0.25,-2.4) 13(0.25,-2.4) 14(0.75,-2.4) 15(1.25,-2.4) 16(1.75,-2.4) 25(1.75,2.4) 26(1.25,2.4) 27(0.75,2.4) 28(0.25,2.4) 29(-0.25,2.4) 30(-0.75,2.4) 31(-1.25,2.4) 32(-1.75,2.4)
  rect 1.725x1.725 smd: 33(-0.863,0.863) 33(-0.863,-0.863) 33(0.863,0.863) 33(0.863,-0.863)
RES_NET4
  rect 0.508x0.914 smd: 1(-1.199,0.798) 2(-1.199,-0.798) 3(-0.399,0.798) 4(-0.399,-0.798) 5(0.399,0.798) 6(0.399,-0.798) 7(1.199,0.798) 8(1.199,-0.798)
RJ45_10P-10C
  round 3.55 hole 3.5 unplated: (-5.715,0) (5.715,0)
  round 2.6 hole 1.7: 0(-7.745,3.05) 0(7.745,3.05)
  round 1.91 hole 0.91: 1(-5.71,8.89) 2(-4.44,6.35) 3(-3.17,8.89) 4(-1.9,6.35) 5(-0.63,8.89) 6(0.64,6.35) 7(1.91,8.89) 8(3.18,6.35) 9(4.45,8.89) 10(5.72,6.35)
  round 2 hole 1.1: 11(-6.63,-4.06) 12(-4.09,-4.06) 13(4.09,-4.06) 14(6.63,-4.06)
ScrewTerm2
  oval 2.032x4.064 hole 1.321: 1(0,0) 2(5.08,0)
SM0402
  rect 0.399x0.599 smd: 1(-0.45,0) 2(0.45,0)
SM0603
  rect 0.635x1.143 smd: 1(-0.762,0) 2(0.762,0)
SM0603_Capa
  rect 0.635x1.143 smd: 1(-0.762,0) 2(0.762,0)
SM0603_Resistor
  rect 0.635x1.143 smd: 1(-0.762,0) 2(0.762,0)
SM0805
  rect 0.889x1.397 smd: 1(-0.953,0) 2(0.953,0)
SM1206
  rect 1.524x2.032 smd: 1(-1.651,0) 2(1.651,0)
SM1210
  rect 1.27x2.54 smd: 1(-1.524,0) 2(1.524,0)
SM1210L
  rect 1.778x2.794 smd: 1(-1.778,0) 2(1.778,0)
SM1812
  rect 1.397x3.81 smd: 1(-2.286,0) 2(2.286,0)
SM2512
  rect 1.999x3 smd: 1(-3,0) 2(3,0)
SMAJACKRightAngled
  rect 2.2x2.2 hole 1.7: 1(-2.55,2.55) 1(-2.55,-2.55) 1(2.55,2.55) 1(2.55,-2.55)
  round 2.2 hole 1.5: 2(0,0)
SO8E_N
  rect 0.599x2.5 smd: 1(-1.905,-3.22) 2(-0.635,-3.22) 3(0.635,-3.22) 4(1.905,-3.22) 5(1.905,3.22) 6(0.635,3.22) 7(-0.635,3.22) 8(-1.905,3.22)
SON_10(tps51200)
  rect 0.28x0.8 smd: 1(1,1.68) 2(0.5,1.68) 3(0,1.68) 4(-0.5,1.68) 5(-1,1.68) 6(-1,-1.68) 7(-0.5,-1.68) 8(0,-1.68) 9(0.5,-1.68) 10(1,-1.68)
  rect 3.5x1.65 smd: 11(0,0)
SOT223-5
  rect 0.65x2.032 smd: 1(-2.54,-3) 2(-1.27,-3) 3(0,-3) 4(1.27,-3) 5(2.54,-3)
  rect 3.3x2.5 smd: 6(0,3.2)
SSOP38_ip4776
  rect 0.259x1.5 smd: 1(-4.5,-2.85) 2(-4,-2.85) 3(-3.5,-2.85) 4(-3,-2.85) 5(-2.5,-2.85) 6(-2,-2.85) 7(-1.5,-2.85) 8(-1,-2.85) 9(-0.5,-2.85) 10(0,-2.85) 11(0.5,-2.85) 12(1,-2.85) 13(1.5,-2.85) 14(2,-2.85) 15(2.5,-2.85) 16(3,-2.85) 17(3.5,-2.85) 18(4,-2.85) 19(4.5,-2.85) 20(4.5,2.85) 21(4,2.85) 22(3.5,2.85) 23(3,2.85) 24(2.5,2.85) 25(2,2.85) 26(1.5,2.85) 27(1,2.85) 28(0.5,2.85) 29(0,2.85) 30(-0.5,2.85) 31(-1,2.85) 32(-1.5,2.85) 33(-2,2.85) 34(-2.5,2.85) 35(-3,2.85) 36(-3.5,2.85) 37(-4,2.85) 38(-4.5,2.85)
Switch_SMD
  rect 2.489x1.905 smd: 1(-3.048,0) 2(3.32,0)
TPS54560
  rect 0.51x1.2 smd: 1(-1.905,-2.7) 2(-0.635,-2.7) 3(0.635,-2.7) 4(1.905,-2.7) 5(1.905,2.7) 6(0.635,2.7) 7(-0.635,2.7) 8(-1.905,2.7)
  rect 3.1x2.4 smd: 9(0,0)
TQFP-100_(CY7C68013A-100AXC)
  rect 1.3x0.43 smd: 1(-8.15,9.425) 2(-8.15,8.775) 3(-8.15,8.125) 4(-8.15,7.475) 5(-8.15,6.825) 6(-8.15,6.175) 7(-8.15,5.525) 8(-8.15,4.875) 9(-8.15,4.225) 10(-8.15,3.575) 11(-8.15,2.925) 12(-8.15,2.275) 13(-8.15,1.625) 14(-8.15,0.975) 15(-8.15,0.325) 16(-8.15,-0.325) 17(-8.15,-0.975) 18(-8.15,-1.625) 19(-8.15,-2.275) 20(-8.15,-2.925) 21(-8.15,-3.575) 22(-8.15,-4.225) 23(-8.15,-4.875) 24(-8.15,-5.525) 25(-8.15,-6.175) 26(-8.15,-6.825) 27(-8.15,-7.475) 28(-8.15,-8.125) 29(-8.15,-8.775) 30(-8.15,-9.425) 51(8.15,-9.425) 52(8.15,-8.775) 53(8.15,-8.125) 54(8.15,-7.475) 55(8.15,-6.825) 56(8.15,-6.175) 57(8.15,-5.525) 58(8.15,-4.875) 59(8.15,-4.225) 60(8.15,-3.575) 61(8.15,-2.925) 62(8.15,-2.275) 63(8.15,-1.625) 64(8.15,-0.975) 65(8.15,-0.325) 66(8.15,0.325) 67(8.15,0.975) 68(8.15,1.625) 69(8.15,2.275) 70(8.15,2.925) 71(8.15,3.575) 72(8.15,4.225) 73(8.15,4.875) 74(8.15,5.525) 75(8.15,6.175) 76(8.15,6.825) 77(8.15,7.475) 78(8.15,8.125) 79(8.15,8.775) 80(8.15,9.425)
  rect 0.43x1.3 smd: 31(-6.175,-11.15) 32(-5.525,-11.15) 33(-4.875,-11.15) 34(-4.225,-11.15) 35(-3.575,-11.15) 36(-2.925,-11.15) 37(-2.275,-11.15) 38(-1.625,-11.15) 39(-0.975,-11.15) 40(-0.325,-11.15) 41(0.325,-11.15) 42(0.975,-11.15) 43(1.625,-11.15) 44(2.275,-11.15) 45(2.925,-11.15) 46(3.575,-11.15) 47(4.225,-11.15) 48(4.875,-11.15) 49(5.525,-11.15) 50(6.175,-11.15) 81(6.175,11.15) 82(5.525,11.15) 83(4.875,11.15) 84(4.225,11.15) 85(3.575,11.15) 86(2.925,11.15) 87(2.275,11.15) 88(1.625,11.15) 89(0.975,11.15) 90(0.325,11.15) 91(-0.325,11.15) 92(-0.975,11.15) 93(-1.625,11.15) 94(-2.275,11.15) 95(-2.925,11.15) 96(-3.575,11.15) 97(-4.225,11.15) 98(-4.875,11.15) 99(-5.525,11.15) 100(-6.175,11.15)
USB_B
  round 1.524 hole 0.813: 1(1.27,4.699) 2(-1.27,4.699) 3(-1.27,2.7) 4(1.27,2.7)
  round 3 hole 2.301: 5(5.999,0) 6(-5.999,0)
μA78L00
  rect 0.58x1.3 smd: 1(-1.5,-1.95) 2(0,-1.95) 3(1.5,-1.95)
  rect 1.9x1.7 smd: 2(0,2.125)

## Nets
/Ethernet/AVDD3V3: C224.1 C227.1 C230.1 L6.2 U20.6 U20.41
/Ethernet/VCC1V0: C204.1 C212.1 L1.1 R38.2 U19.4
/FPGA_Power/VBATT: R59.1 U10.T16
/Power/VIN 48: C45.2 C48.2 C51.2 C55.2 C56.2 C57.2 R77.2 U4.1 U6.2
/Power/VIN +48V: CON1.1 P1.2 U4.2
/Power/VIN -48V: CON1.2 CON1.3 P1.1 U4.3
GND: C1.2 C2.2 C3.2 C4.2 C5.2 C6.2 C7.2 C8.2 C9.2 C10.2 C11.2 C12.2 C13.2 C14.2 C15.2 C16.1 C17.1 C18.1 C19.1 C20.1 C21.1 C22.1 C23.1 C24.1 C25.1 C26.1 C27.1 C28.1 C29.1 C30.1 C31.1 C32.1 C33.2 C34.2 C35.2 C36.1 C37.1 C38.2 C39.2 C40.2 C41.2 C42.2 C43.2 C44.2 C45.1 C46.2 C47.2 C48.1 C49.2 C51.1 C52.2 C53.2 C54.2 C55.1 C56.1 C57.1 C58.2 C59.1 C61.1 C62.1 C63.2 C64.2 C65.1 C66.2 C67.1 C68.1 C69.1 C70.1 C71.1 C72.1 C73.1 C74.1 C75.1 C76.1 C77.1 C78.2 C79.1 C80.2 C81.1 C82.2 C83.1 C84.2 C85.1 C86.2 C87.1 C88.2 C89.1 C90.2 C91.1 C92.2 C93.1 C94.2 C95.1 C96.2 C97.1 C98.2 C99.1 C101.1 C102.2 C103.1 C105.1 C107.1 C108.1 C109.1 C110.1 C111.1 C112.1 C113.2 C114.1 C115.1 C116.1 C117.1 C118.1 C119.1 C120.1 C121.2 C122.2 C123.1 C124.2 C125.1 C126.2 C127.2 C128.2 C129.2 C130.2 C131.2 C132.1 C133.1 C134.1 C135.2 C136.2 C137.1 C138.1 C139.1 C140.1 C141.1 C142.2 C143.1 C144.1 C145.1 C146.2 C147.1 C148.1 C153.1 C156.1 C157.1 C159.1 C160.1 C161.1 C162.1 C163.1 C164.1 C165.1 C166.1 C167.1 C168.1 C169.2 C170.2 C171.2 C172.1 C174.2 C176.2 C178.2 C179.2 C180.2 C182.2 C184.2 C185.1 C186.2 C187.2 C188.1 C189.1 C190.1 C191.2 C192.2 C193.2 C194.2 C195.2 C196.2 C197.2 C198.2 C199.2 C200.2 C201.2 C202.2 C203.2 C204.2 C207.2 C209.2 C210.2 C211.2 C212.2 C213.1 C214.2 C215.2 C216.1 C217.2 C218.2 C219.2 C220.2 C221.2 C222.2 C223.2 C224.2 C225.2 C226.2 C227.2 C228.2 C229.2 C230.2 C231.2 C232.2 C233.2 C234.2 C235.2 C236.2 C237.2 C238.2 C239.2 C240.2 C241.1 C242.1 C243.1 C244.1 CON2.2 CON2.3 D2.2 D5.1 D10.2 J1.0 J1.5 J2.0 J2.2 J2.5 J2.8 J2.11 J2.17 J3.0 J3.2 J3.5 J3.8 J3.11 J3.17 J4.0 J4.2 J4.5 J4.8 J4.11 J4.17 J5.0 J5.2 J5.5 J5.8 J5.11 J5.17 J6.0 J6.10 J7.4 J7.5 J7.6 J8.0 J8.2 J8.5 J8.8 J8.11 J8.16 J8.19 J9.0 J9.2 J9.5 J9.8 J9.11 J9.16 J9.19 JP1.2 JP2.2 K1.3 P3.1 P3.3 P3.5 P3.7 P3.9 P3.11 P3.13 P15.5 P16.4 P17.4 R5.1 R6.1 R7.1 R11.1 R12.2 R13.1 R25.2 R29.1 R32.2 R36.1 R37.2 R39.1 R42.2 R43.2 R44.2 R45.2 R46.2 R47.2 R48.1 R53.2 R69.2 R74.2 R78.2 R79.2 R84.1 R85.1 R88.1 R89.2 R91.1 R96.2 R98.2 R99.2 R105.2 R107.1 R111.1 R113.2 R115.2 R116.1 R119.2 R148.1 R149.1 R151.1 R204.1 SW1.2 U1.A9 U1.B1 U1.B3 U1.B9 U1.D1 U1.D8 U1.E1 U1.E2 U1.E8 U1.F9 U1.G1 U1.G8 U1.G9 U1.J2 U1.J8 U1.M1 U1.M9 U1.P1 U1.P9 U1.T1 U1.T9 U2.2 U2.12 U2.19 U2.21 U2.39 U2.48 U2.50 U2.65 U2.75 U2.94 U2.99 U3.4 U4.4 U6.7 U6.9 U7.23 U8.5 U8.8 U8.9 U8.15 U9.5 U9.8 U9.9 U9.15 U10.A1 U10.A9 U10.A11 U10.A13 U10.A22 U10.AA5 U10.AA9 U10.AA13 U10.AA17 U10.AB1 U10.AB22 U10.B5 U10.B7 U10.B11 U10.B15 U10.B17 U10.C6 U10.C8 U10.C12 U10.C14 U10.C16 U10.D6 U10.D10 U10.D16 U10.E2 U10.E7 U10.E11 U10.E14 U10.E15 U10.E21 U10.F13 U10.G5 U10.G18 U10.H7 U10.J2 U10.J9 U10.J11 U10.J13 U10.J15 U10.J21 U10.K10 U10.K12 U10.K14 U10.L5 U10.L9 U10.L11 U10.L13 U10.L18 U10.M10 U10.M12 U10.M14 U10.N2 U10.N9 U10.N11 U10.N13 U10.N17 U10.N21 U10.P10 U10.P12 U10.P14 U10.R5 U10.R18 U10.U2 U10.U7 U10.U21 U10.V4 U10.V10 U10.V14 U10.W7 U10.W16 U10.W19 U11.6 U11.9 U11.10 U11.11 U11.12 U12.4 U12.8 U12.11 U13.3 U13.5 U13.8 U13.11 U13.14 U13.25 U13.28 U13.31 U13.34 U13.36 U14.3 U14.5 U14.8 U14.11 U14.14 U14.25 U14.28 U14.31 U14.34 U14.36 U15.3 U15.5 U15.8 U15.11 U15.14 U15.25 U15.28 U15.31 U15.34 U15.36 U17.2 U18.8 U18.11 U18.14 U18.33 U19.3 U19.6 U20.38 U20.47 U20.49 U21.3 U21.5 U21.8 U21.11 U21.14 U21.25 U21.28 U21.31 U21.34 U21.36 U23.1 U23.2 U23.4 U23.7 U24.3 U25.A4 U25.A12 U25.A15 U25.A18 U25.A20 U25.A23 U25.A24 U25.A27 U25.A28 U25.A31 U25.A34 U25.A37 U25.A38 U25.A41 U25.A42 U25.A45 U25.A46 U25.A49 U25.B4 U25.B7 U25.B13 U25.B16 U25.B18 U25.B21 U25.B22 U25.B25 U25.B26 U25.B29 U25.B32 U25.B35 U25.B36 U25.B39 U25.B40 U25.B43 U25.B44 U25.B47 U25.B49 U26.2 U27.3 U28.1 U29.1
VCC1V2: C90.1 C121.1 C122.1 C124.1 C126.1 C128.1 C129.1 C130.1 C131.1 C158.1 C164.2 C167.2 C191.1 C193.1 C194.1 C195.1 C196.1 C197.1 C198.1 C199.1 C200.1 C215.1 C221.1 C236.1 C237.1 L5.2 R68.1 R114.1 U9.1 U10.A7 U10.A15 U10.B9 U10.B13 U10.C10 U10.D8 U10.D12 U10.D14 U10.E8 U10.E10 U10.E13 U10.J8 U10.J10 U10.J12 U10.J14 U10.K9 U10.K11 U10.K13 U10.L10 U10.L12 U10.L14 U10.M9 U10.M11 U10.M13 U10.N10 U10.N12 U10.N14 U10.P9 U10.P11 U10.P13 U10.R14
VCC1V5: C16.2 C17.2 C18.2 C19.2 C20.2 C21.2 C22.2 C23.2 C24.2 C25.2 C26.2 C27.2 C28.2 C29.2 C30.2 C31.2 C32.2 C76.2 C81.2 C82.1 C84.1 C86.1 C88.1 C92.1 C94.1 C96.1 C98.1 C102.1 C127.1 C136.1 C138.2 C155.2 C161.2 C165.2 L4.2 P15.2 R101.1 R112.1 R117.2 U1.A1 U1.A8 U1.B2 U1.C1 U1.C9 U1.D2 U1.D9 U1.E9 U1.F1 U1.G7 U1.H2 U1.H9 U1.K2 U1.K8 U1.N1 U1.N9 U1.R1 U1.R9 U8.1 U10.C2 U10.F4 U10.G2 U10.J5 U10.L2 U10.L7 U10.N5 U10.R2 U10.U5 U10.W2 U12.2
VCC3V3: C36.2 C39.1 C40.1 C41.1 C42.1 C43.1 C44.1 C52.1 C53.1 C54.1 C58.1 C66.1 C83.2 C85.2 C87.2 C89.2 C91.2 C93.2 C95.2 C97.2 C99.2 C101.2 C103.2 C105.2 C107.2 C108.2 C109.2 C110.2 C111.2 C112.2 C114.2 C115.2 C116.2 C117.2 C118.2 C119.2 C120.2 C123.2 C125.2 C132.2 C147.2 C188.2 C190.2 C201.1 C202.1 C203.1 C210.1 C211.1 C213.2 C217.1 C218.1 C239.1 C241.2 C242.2 C243.2 D4.2 GS2.2 K1.1 L6.1 L7.1 P3.2 P15.1 R18.1 R19.1 R20.1 R21.2 R22.2 R33.2 R34.2 R35.2 R40.1 R41.2 R51.2 R52.1 R55.2 R56.2 R57.2 R58.2 R59.2 R60.2 R61.2 R62.2 R63.2 R64.2 R71.2 R72.2 R75.2 R80.1 R86.1 R92.2 R93.1 R106.2 R120.2 R124.2 R125.2 R126.1 R127.1 R128.2 R129.1 R130.1 R131.2 R132.1 R133.1 R134.1 R135.1 R136.1 R143.1 R144.1 R145.2 R146.1 R147.2 R150.2 R152.2 R188.2 R189.2 R190.2 R191.2 R192.1 R193.1 R194.1 R198.1 R199.1 R200.1 R201.1 R203.1 U2.1 U2.9 U2.16 U2.20 U2.33 U2.38 U2.49 U2.53 U2.66 U2.78 U2.85 U3.8 U10.AA7 U10.AA11 U10.AA15 U10.AA19 U10.AB3 U10.B4 U10.B19 U10.C21 U10.E17 U10.E19 U10.F6 U10.F11 U10.G10 U10.G12 U10.G14 U10.G21 U10.H9 U10.H15 U10.J18 U10.K15 U10.L8 U10.L16 U10.L21 U10.M15 U10.N8 U10.N18 U10.R6 U10.R10 U10.R12 U10.R21 U10.T9 U10.T13 U10.U11 U10.U18 U10.V6 U10.V8 U10.V12 U10.V16 U10.W5 U10.W21 U11.4 U12.7 U12.10 U13.2 U14.2 U15.2 U17.4 U18.1 U18.21 U18.32 U19.2 U21.2 U23.8 U25.A9 U25.A10 U25.B8 U25.B10 U26.4 U27.6
VCC4V0: C154.1 C157.2 C160.2 C163.2 D4.1 F2.1 F3.1 L3.2 R110.2
